# Altium PCB Pleiades_Frouf.PcbDoc (part 9 of 12)
Units mil, origin at the board's own origin, x right, y up, seen from the top; angles counter-clockwise.
Board outline 12244.09 x 4515.28 mil, 12 copper layers (TOP, GND1, IN1, GND2, POW1, GND3, POW2, GND4, GND5, IN2, GND6, BOT), stack 63.546 mil thick; 1442 components, 702 nets, 4419 pads, 1756 vias.
Unrouted connection lines stored in the file: 1088.
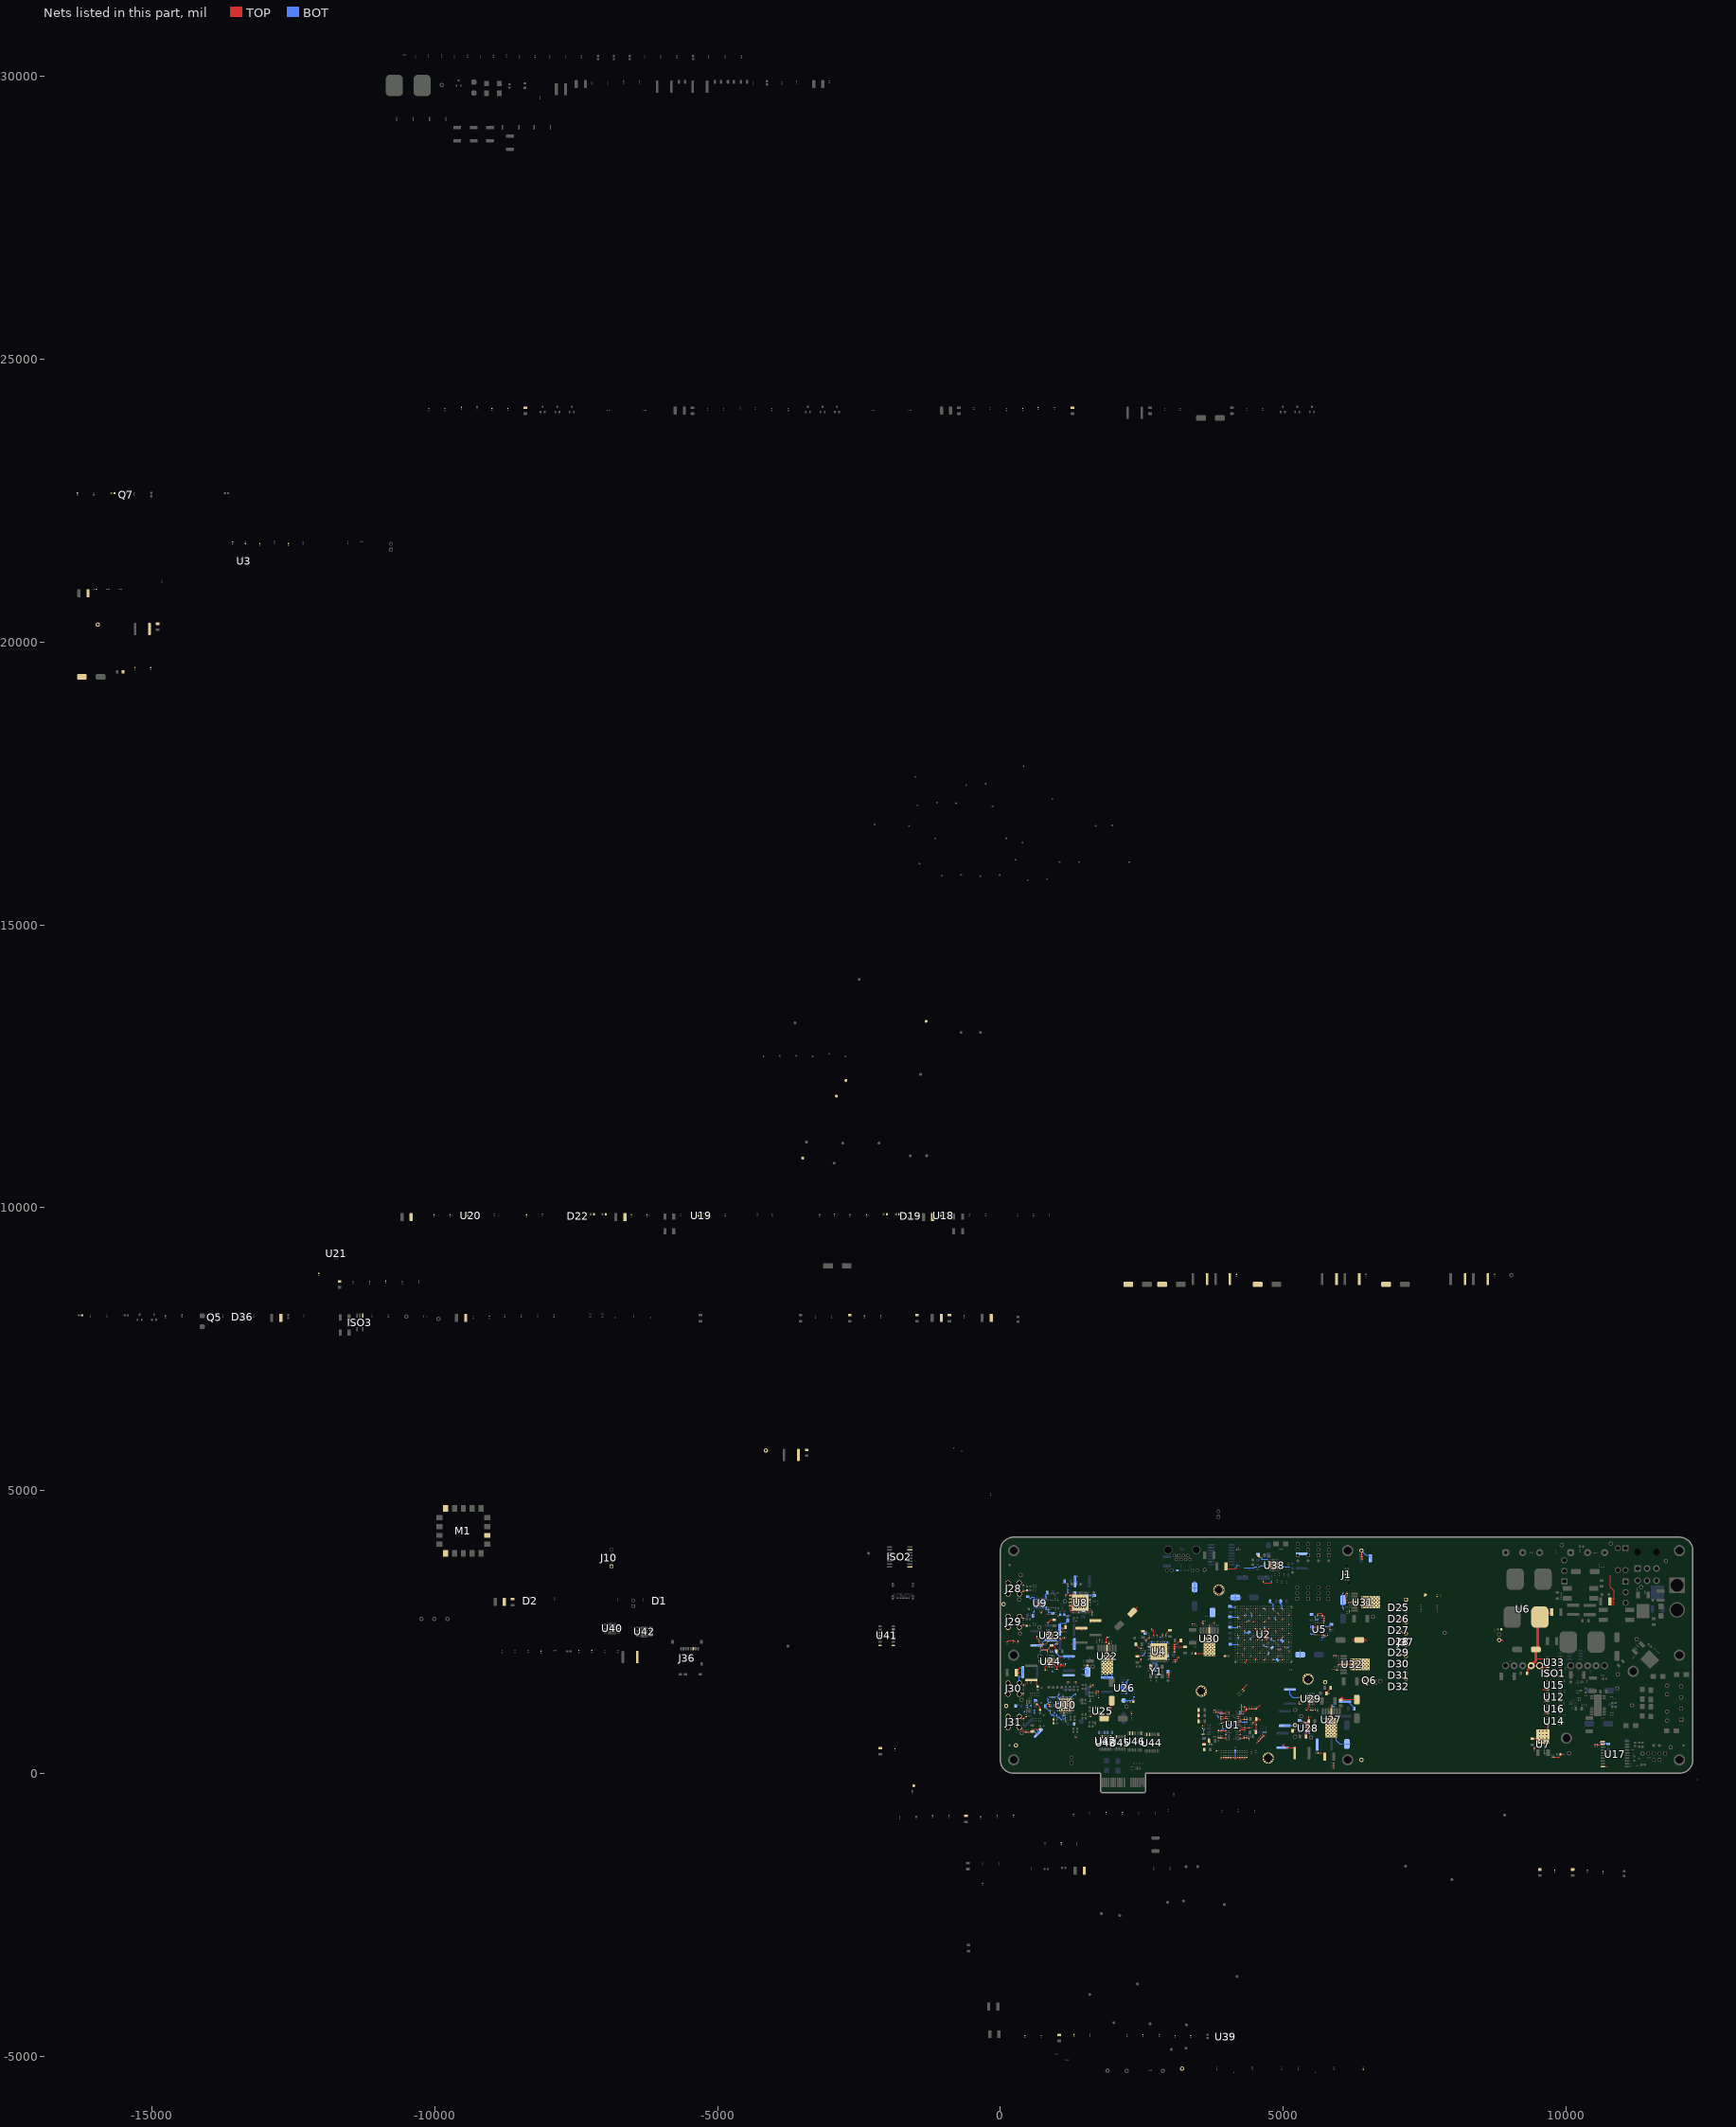
[diagram p19: the nets of this part, all layers, seen from the top]

## Via types
v1: diameter 12/18/18/18/18/18/18/18/18/18/18/12 (per signal layer), hole 6, TOP to BOT, 1113 vias
v2: diameter 20, hole 10, TOP to BOT, 363 vias
v3: diameter 19.68, hole 7.87, TOP to BOT, 110 vias
v4: diameter 25, hole 12, TOP to BOT, 67 vias
v5: diameter 40, hole 20, TOP to BOT, 48 vias
v6: diameter 22, hole 12, TOP to BOT, 27 vias
v7: diameter 12, hole 6, TOP to BOT, 19 vias
v8: diameter 19.68, hole 11.81, TOP to BOT, 9 vias

## Nets (pads, with @x,y where several pads share a name; then routed paths per layer and width w, separated by ;. In a path a pad name is that pad's centre, name@x,y a point inside that pad or via, vN(x,y) a via of type N, cw(c..) or ccw(c..) an arc to the next point about the centre after c; other vN are vias at no path point) (continued)
GND: C1.2 C2.2 C3.2 C4.2 C5.2 C6.2 C7.2 C8.2 C9.2 C10.2 C11.2 C12.2 C13.2 C14.2 C15.2 C16.2 C17.2 C18.2 C19.2 C20.2 C21.2 C22.2 C23.2 C24.2 C25.2 C26.2 C27.2 C28.2 C29.2 C30.2 C31.2 C32.2 C33.2 C34.2 C35.2 C36.2 C37.2 C38.2 C39.2 C40.2 C41.2 C42.2 C43.2 C44.2 C45.2 C46.2 C47.2 C48.2 C49.2 C50.2 C51.2 C52.2 C53.2 C54.2 C55.2 C56.2 C57.2 C58.2 C59.2 C60.2 C61.2 C62.2 C63.2 C64.2 C65.2 C66.2 C67.2 C68.2 C69.2 C70.2 C71.2 C72.2 C73.2 C74.2 C75.2 C76.2 C77.2 C78.2 C79.2 C80.2 C81.2 C82.2 C83.2 C84.2 C85.2 C86.2 C88.2 C91.2 C92.2 C94.2 C95.2 C96.2 C97.2 C98.2 C99.1 C100.2 C101.2 C102.2 C103.2 C104.2 C105.2 C106.2 C107.2 C108.2 C109.2 C110.2 C111.2 C112.2 C113.2 C114.2 C115.2 C116.2 C117.2 C118.2 C119.2 C120.2 C121.2 C122.2 C123.2 C124.2 C125.2 C126.2 C127.2 C128.2 C129.2 C130.2 C131.2 C132.1 C134.2 C135.2 C136.2 C138.2 C139.2 C140.2 C141.2 C142.2 C143.2 C144.2 C145.2 C146.2 C148.2 C149.2 C153.2 C154.2 C155.2 C156.2 C157.2 C158.2 C159.2 C160.2 C161.2 C162.2 C163.2 C164.2 C165.2 C166.2 C167.2 C168.2 C169.2 C170.2 C171.2 C172.2 C173.2 C174.2 C175.2 C176.2 C177.2 C178.2 C179.2 C180.2 C181.2 C182.2 C183.2 C184.2 C185.2 C186.2 C187.2 C188.2 C189.2 C190.2 C191.2 C192.2 C193.2 C194.2 C195.2 C196.2 C197.2 C198.2 C199.2 C200.2 C201.2 C202.2 C203.2 C204.2 C205.2 C206.2 C207.2 C208.2 C209.2 C210.2 C211.2 C212.2 C213.2 C214.2 C215.2 C216.2 C217.2 C218.2 C219.2 C220.2 C228.1 C231.2 C232.2 C233.2 C234.2 C235.2 C236.2 C237.2 C240.2 C243.2 C244.2 C245.2 C246.2 C247.2 C248.2 C249.2 C250.2 C251.2 C252.2 C253.2 C254.2 C255.2 C256.2 C259.2 C260.2 C261.2 C262.2 C263.2 C264.2 C265.2 C266.2 C267.2 C268.2 C269.2 C270.2 C271.2 C272.2 C273.2 C274.2 C275.2 C276.2 C277.2 C278.2 C279.2 C280.2 C281.2 C282.2 C283.2 C284.2 C285.2 C286.2 C287.2 C288.2 C289.2 C290.2 C291.2 C292.2 C293.2 C296.2 C297.2 C298.2 C299.2 C300.2 C301.2 C302.2 C303.2 C304.2 C305.2 C306.2 C307.2 C308.2 C309.2 C310.2 C311.2 C312.2 C313.2 C314.2 C315.2 C316.2 C317.2 C318.2 C319.2 C320.2 C321.2 C322.2 C323.2 C324.2 C325.2 C326.2 C327.2 C328.2 C329.2 C330.2 C331.2 C332.2 C333.2 C334.2 C335.2 C336.2 C337.2 C338.2 C339.2 C340.2 C341.2 C366.2 C367.2 C368.2 C369.2 C370.2 C371.2 C372.2 C373.2 C374.2 C375.2 C376.2 C377.2 C378.2 C379.2 C380.2 C381.2 C382.2 C383.2 C384.2 C385.2 C386.2 C387.2 C388.2 C389.2 C390.2 C391.2 C392.2 C393.2 C394.2 C395.2 C396.2 C397.2 C398.2 C399.2 C400.2 C401.2 C402.2 C403.2 C404.2 C405.2 C406.2 C407.2 C408.2 C409.2 C411.2 C412.2 C413.2 C414.2 C415.2 C416.2 C417.2 C418.2 C419.2 C421.2 C422.2 C423.2 C424.2 C425.2 C426.2 C427.2 C428.2 C429.2 C430.2 C431.2 C432.2 C433.2 C434.2 C435.2 C436.2 C437.2 C438.2 C439.2 C440.2 C441.2 C442.2 C443.2 C444.2 C445.2 C446.2 C447.2 C448.2 C449.2 C450.2 C451.2 C452.2 C453.2 C454.2 C455.2 C456.2 C457.2 C458.2 C459.2 C460.2 C462.2 C463.2 C464.2 C465.2 C466.2 C467.2 C468.2 C469.2 C470.2 C471.2 C472.2 C474.2 C475.2 C476.2 C480.2 C488.2 C489.2 C490.2 C491.2 C492.2 C496.2 C497.2 C498.2 C501.2 C502.2 C503.2 C504.2 C505.2 C506.2 C509.2 C510.2 C511.2 C512.2 C513.2 C514.2 C515.2 C516.2 C517.2 C518.2 C519.2 C520.2 C521.2 C522.2 C523.2 C524.2 C525.2 C526.2 C527.2 C528.2 C529.2 C530.2 C531.2 C532.2 C533.2 C534.2 C535.2 C536.2 C537.2 C542.2 C543.2 C544.2 C547.2 C548.2 C565.2 C566.2 C567.2 C568.2 C569.2 C570.2 C571.2 C577.2 C578.2 C579.2 C580.2 C588.2 C589.2 C590.2 C591.2 C592.2 C593.2 C594.2 C599.2 C600.2 C601.2 C602.2 D1.1 D2.1 D5.2 D6.2 D7.2 D8.2 D9.2 D19.1 D20.2 D21.2 D22.1 D23.2 D24.2 D25.1 D26.1 D27.1 D28.1 D29.1 D30.1 D31.1 D32.1 D36.1 D41.2 D46.2 D47.2 D48.2 D49.2 D51.2 HEAT1.1 HEAT1.2 HEAT2.1 HEAT2.2 ISO1.3 ISO2.9 ISO2.15 ISO3.3 J1.3 J10.1 J28.2 J28.3 J28.4 J28.5 J29.2 J29.3 J29.4 J29.5 J30.2 J30.3 J30.4 J30.5 J31.2 J31.3 J31.4 J31.5 J36.6 J37.1 J37.5 J37.7 J37.9 J37.11 J37.15 M1.1 M1.7 M1.14 Q5.2 Q6.2 Q7.2 R1.2 R2.2 R3.2 R4.2 R5.2 R6.2 R7.2 R8.2 R9.2 R10.2 R11.2 R12.2 R13.1 R14.2 R33.2 R51.2 R52.2 R53.1 R57.2 R58.2 R61.2 R66.2 R71.1 R72.2 R74.1 R75.2 R76.2 R77.2 R78.2 R91.2 R92.2 R97.1 R98.2 R106.1 R107.2 R115.2 R116.2 R117.2 R122.2 R123.2 R124.2 R125.2 R126.2 R142.2 R173.2 R179.2 R190.2 R191.2 R192.2 R193.2 R194.2 R195.2 R196.2 R197.2 R198.2 R199.2 R200.2 R201.2 R202.2 R203.2 R204.2 R205.2 R206.2 R207.2 R208.2 R209.2 R210.2 R213.2 R214.2 R217.2 R218.2 R224.2 R225.2 R226.2 R228.2 R230.2 R231.2 R232.2 R233.2 R234.2 R235.2 R236.2 R237.2 R238.2 R255.2 R256.2 R257.2 r258.2 R259.2 R260.2 R261.2 R262.2 R263.2 R286.2 R304.2 R306.2 R311.2 R312.2 R316.2 R317.2 R325.1 R326.2 R330.1 R331.2 R337.1 R341.2 TP1.1 TP2.1 TP3.1 TP35.1 TP46.1 TP61.1 TP69.1 TP101.1 TP103.1 TP105.1 TP110.1 TP112.1 TP118.1 TP126.1 TP141.1 TP145.1 TP174.1 U1.A9 U1.B1 U1.B3 U1.B9 U1.D1 U1.D8 U1.E1 U1.E2 U1.E8 U1.F9 U1.G1 U1.G8 U1.G9 U1.J2 U1.J8 U1.M1 U1.M9 U1.P1 U1.P9 U1.T1 U1.T9 U2.A1 U2.A26 U2.AB2 U2.AB12 U2.AB16 U2.AB20 U2.AB25 U2.AC8 U2.AE6 U2.AE10 U2.AE14 U2.AE18 U2.AE22 U2.AF1 U2.AF26 U2.B5 U2.B9 U2.B13 U2.B17 U2.B21 U2.D4 U2.E7 U2.E11 U2.E15 U2.E22 U2.F2 U2.F19 U2.F25 U2.H4 U2.H11 U2.H23 U2.J8 U2.J19 U2.K2 U2.K16 U2.K25 U2.L11 U2.L13 U2.L15 U2.M5 U2.M12 U2.M14 U2.M16 U2.M22 U2.N11 U2.N13 U2.N15 U2.P2 U2.P12 U2.P14 U2.P16 U2.P19 U2.P25 U2.R8 U2.R11 U2.R13 U2.R15 U2.T5 U2.T12 U2.T14 U2.T16 U2.T21 U2.U11 U2.V2 U2.V25 U2.W15 U2.W20 U2.Y4 U2.Y7 U2.Y11 U2.Y23 U3.2 U4.36 U4.PAD U5.A1 U5.A2 U5.B6 U5.F1 U5.F5 U5.F6 U5.H1 U6.4 U6.5 U7.3 U8.17 U8.18 U8.21 U8.24 U8.27 U8.28 U8.31 U8.32 U8.39 U8.49 U8.59 U8.PAD U9.PAD U10.5 U10.41 U10.44 U10.PAD U12.4 U14.4 U15.4 U16.4 U17.1 U17.2 U17.10 U18.2 U19.2 U20.2 U21.3 U22.4 U22.8 U23.7 U23.E1 U24.7 U24.E1 U25.1 U26.2 U26.4 U26.5 U26.6 U26.7 U26.8 U26.9 U26.10 U26.11 U26.12 U26.17 U26.18 U26.19 U26.21 U27.4 U27.8 U28.4 U28.8 U28.11 U29.7 U29.E1 U30.4 U30.8 U31.4 U31.8 U32.4 U32.8 U33.2 U33.8 U38.1 U38.33 U38.34 U38.35 U38.36 U38.37 U38.38 U38.39 U38.40 U38.41 U38.42 U39.2 U40.11 U41.3 U41.6 U41.9 U41.10 U41.19 U41.20 U41.30 U41.35 U42.11 U42.12 U42.13 U43.9 U43.15 U44.11 U44.17 U44.19 U45.9 U45.15 U46.11 U46.17 U46.19 U47.1 U47.5 U47.7 U47.10 Y1.3 | length 49092.4
  TOP w6: R1.2@122.22,2324.68 143.94,2346.4 R3.2@229.67,2346.4 231.29,2346.4 242.49,2335.19 R2.2@316.22,2335.19 ; J31.5@336.22,1005.51 375.95,965.79 D9.2@409.43,965.79 414.3,970.66 426.97,970.66 R124.2@458.81,1002.5 ; J30.4@336.22,1396.06 348.57,1408.42 404.28,1408.42 R117.2@409.43,1413.56 ; J29.4@336.22,2577.17 381.56,2622.5 R107.2@402.97,2622.5 450.73,2622.5 465.23,2608 R106.1@467.35,2608 ; J29.5@336.22,2777.17 351.65,2761.74 379.22,2761.74 403.52,2737.44 D7.2@409.43,2737.44 ; J28.4@336.22,3167.72 385.65,3217.15 R98.2@409.43,3217.15 427.14,3234.87 R97.1@472.01,3234.87 ; v1(347.57,1715) 346.42,1716.15 308.43,1716.15 284.22,1740.35 C1.2@284.22,1778.74 ; v1(347.57,1790) 336.31,1778.74 C1.2@284.22,1778.74 ; v1(347.57,1865) 322.34,1839.77 308.43,1839.77 284.22,1815.57 C1.2@284.22,1778.74 ; D8.2@409.43,1563.78 451.12,1563.78 v1(462.02,1574.67) 472.91,1585.57 472.91,1627.92 491.78,1646.8 C394.2@547.95,1646.8 ; v1(542.28,1595.67) 543.43,1596.82 543.43,1609.16 547.95,1613.67 C394.2@547.95,1646.8 ; v1(619.11,1227) 642.56,1227 R116.2@650,1219.56 703,1166.56 R123.2@703,1120.65 ; R209.2@647.85,2419.28 647.85,2385.3 654.54,2378.62 665.7,2378.62 668.36,2381.28 R207.2@687.36,2381.28 687.5,2381.14 687.5,2308.3 699.35,2296.45 v1(729.12,2296.45) 740.98,2296.45 R201.2@760.09,2277.35 711.85,2229.11 711.85,2197.97 723.2,2186.61 840.43,2186.61 ; R115.2@661.5,1531.23 661.5,1533.35 641.2,1553.66 v1(641.2,1570.57) 641.2,1627.92 622.33,1646.8 C394.2@547.95,1646.8 ; C395.2@687.65,1995.02 687.65,1969.71 698.25,1959.11 R210.2@698.25,1957.49 698.25,1930.46 v1(698.5,1930.2) ; C391.2@722.1,2835.44 722.1,2836.3 735.11,2849.31 v1(735.11,2865.52) ; R202.2@795.68,1824.23 795.68,1887.02 v6(848.31,1939.65) U24.E1@862.09,1953.43 ; v1(821.79,2302.68) 822.93,2303.83 822.93,2308.58 843.25,2328.9 U23.7@843.25,2341.69 843.25,2383.03 v6(829.47,2396.81) ; v1(826.8,1225.35) 827.95,1224.2 866.17,1224.2 C303.2@870.81,1219.56 R142.2@870.81,1180.88 ; C409.2@831.63,2160.37 833.19,2161.93 833.19,2179.37 840.43,2186.61 ; R205.2@842.01,2661.76 893.1,2712.85 C397.2@953,2712.85 ; U24.7@862.09,1884.53 U24.E1@862.09,1953.43 ; v6(887.68,1979.02) U24.E1@862.09,1953.43 ; v6(927.05,1939.65) 969.88,1896.82 978.41,1896.82 ; R126.2@942.07,952.01 950.85,960.79 950.85,1024.76 v1(961.76,1035.67) ; R125.2@942.07,883.4 v1(942.1,917.67) R126.2@942.07,952.01 ; v1(985.31,1232.92) 986.93,1232.92 991.73,1237.72 U10.41@1018.35,1237.72 ; v1(987.81,1180.31) 988.63,1179.48 1017.52,1179.48 U10.44@1018.35,1178.66 ; C401.2@992.48,2155.9 975.02,2173.35 975.02,2194.86 970.61,2199.27 v1(970.61,2200.9) v1(970.61,2253.26) ; R198.2@1004.43,1835 1004.43,1870.8 978.41,1896.82 ; v1(1008.31,2324.26) 1008.31,2289.68 R197.2@1005.24,2286.61 1004.6,2286.61 971.25,2253.26 v1(970.61,2253.26) ; C402.2@1035.4,2054.11 1067.46,2054.11 v1(1079.99,2066.65) ; R192.2@1055.13,2385.3 1083.17,2357.26 v1(1099.24,2357.26) R190.2@1137.56,2395.59 ; C399.2@1065.9,2503.1 v1(1096.26,2503.1) 1116.3,2523.14 v1@1116.3,2563.4 ; v1(1109.94,2569.76) v1@1116.3,2563.4 ; v3(1111.85,1121.57) U10.PAD@1125.63,1107.8 ; 1117.6,2562.11 v1@1116.3,2563.4 ; v1(1131.27,1043.79) 1131.27,1045.41 1126.59,1050.09 1126.59,1070.42 U10.5@1125.63,1071.38 U10.PAD@1125.63,1107.8 ; R191.2@1152.9,1933.84 1152.9,1909.14 1145.6,1901.84 1103.5,1901.84 1082.65,1922.69 1075.99,1922.69 R193.2@1070.85,1927.84 1070.85,1899.32 1067.33,1895.81 1062.36,1895.81 1061.35,1896.82 978.41,1896.82 ; C240.2@1152.98,3153.65 1188.29,3153.65 v1(1199.1,3164.46) 1217.02,3164.46 1223.24,3158.24 1223.24,3146.13 1224.65,3144.71 U8.18@1235,3144.71 U8.PAD@1283.23,3144.71 ; v1(1154.83,2650.27) 1154.83,2580.89 C398.2@1153.7,2579.76 1143.7,2569.76 1137.34,2563.4 v1@1116.3,2563.4 ; v3(1155.16,1208.19) 1125.63,1178.66 U10.PAD@1125.63,1107.8 ; C306.2@1192.6,1616.07 1193.85,1614.82 v1(1220.73,1614.82) ; v1(1209.61,3022.08) 1213.55,3026.02 1234.42,3026.02 U8.24@1235,3026.6 1401.34,3026.6 v3(1411.18,3016.76) ; U8.32@1235,2869.12 1263.54,2869.12 U8.PAD@1283.23,2888.81 ; U8.31@1235,2888.81 U8.PAD@1283.23,2888.81 ; U8.21@1235,3085.66 1298.98,3085.66 v3(1324.57,3060.07) ; U8.17@1235,3164.4 1263.54,3164.4 U8.PAD@1283.23,3144.71 ; v1(1263.43,870) 1280.53,870 C304.2@1295.52,885 ; v1(1313.55,1614.82) 1337.6,1614.82 C302.2@1338.85,1613.56 ; C300.2@1324.27,640.53 1350.55,640.53 v1(1354.85,644.84) ; v3(1324.57,3103.38) U8.PAD@1283.23,3144.71 ; v3(1367.87,2930.15) 1381.65,2916.37 U8.39@1381.65,2840.58 ; v3(1497.8,3060.07) 1503.7,3065.97 U8.59@1587.36,3065.97 ; D49.2@1540.39,1906.22 v1(1576.84,1906.22) ; v1@1592.65,1310.33 v1(1592.99,1310.68) ; C301.2@1597.3,1002.34 v1(1597.3,1037.82) v1@1597.99,1038.51 ; v1(1622.5,2869.12) U8.49@1587.36,2869.12 1558.82,2869.12 v3(1411.18,3016.76) ; C298.2@1679.43,877.56 v1(1679.43,907.49) ; C396.2@1755,2348.04 1755,2371.57 v1(1758.51,2375.09) ; R196.2@1891.09,2403.11 1875.33,2387.35 R194.2@1875.33,2314.13 1887.83,2301.63 1896.19,2293.28 R195.2@1924.59,2293.28 ; R326.2@2320,1053.34 v1(2320,1089.4) ; D47.2@2352.44,1264.4 2361.41,1273.37 2361.41,1293.67 2367.53,1299.79 v1(2367.53,1320.68) ; v1(2422.09,2932.09) v1@2422.09,2933.36 ; R325.1@3394.3,2642.1 3446.29,2642.1 3448.37,2640.02 v1(3450,2640.02) ; D48.2@3451.39,2116.32 3592.68,2116.32 3695,2218.64 v2(3695,2236.93) ; C32.2@3508.55,1020.56 C32.2@3508.68,1020.43 ; C25.2@3508.55,1119.27 C25.2@3508.68,1119.14 ; v1(3548.45,915.34) 3512.48,915.34 C60.2@3508.8,919.01 3508.68,919.13 C32.2@3508.68,1020.43 ; v1(3548.45,1019.52) 3509.6,1019.52 C32.2@3508.68,1020.43 ; v1(3548.45,1119.13) C25.2@3508.69,1119.13 ; v1(3555,687.55) 3555.5,687.05 3577,687.05 C74.2@3577.5,686.55 ; v1(3577.5,547.12) 3577.96,546.66 3577.96,529.08 3596.77,510.27 C46.2@3601.93,510.27 3607.63,510.27 3626.44,529.08 3626.44,546.11 v1(3627.45,547.12) ; C69.2@3577.5,795.26 v1(3577.5,817.83) C72.2@3577.5,840.4 ; R255.2@3587.5,2690.31 3586.44,2690.31 3566.06,2669.93 v1(3565,2669.93) 3565,2669.33 3584.59,2649.75 C457.2@3595,2649.75 ; C11.2@3690.47,573.27 3690.47,561.91 3709.95,542.44 v1(3709.95,526.92) ; U30.4@3695,2524.53 3695,2608.68 r258.2@3701.69,2615.37 ; v1@3711.05,528.02 C52.2@3734.08,505 ; C31.2@3778.97,1119.27 3804.33,1093.9 3804.33,1083.96 3810.59,1077.71 3852.01,1077.71 C40.2@3852.6,1078.29 3852.87,1078.03 3902.36,1078.03 C8.2@3902.62,1077.76 3929.84,1077.76 v1(3950.24,1057.36) 3951.86,1057.36 3957.49,1062.99 U1.B1@3984.25,1062.99 ; R259.2@3785,2649.43 v1(3785,2676.93) ; v1(3793.7,397.75) R33.2@3824.81,397.75 ; C41.2@3855.24,626.85 C29.2@3899.6,626.85 3931.36,626.85 3936.33,631.82 v1(3937.95,631.82) 3939.57,631.82 3947.77,623.62 3962.58,623.62 3964.15,622.05 U1.T1@3984.25,622.05 ; C55.2@3857.31,753.8 C54.2@3902.42,753.8 3951.88,753.8 v1(3963.03,764.95) 3964.17,763.8 3968.48,763.8 U1.M1@3984.25,748.03 ; C9.2@3898.8,960.46 C9.2@3898.8,960.46 ; v1(3902.36,255.79) 3902.36,257.41 3904.72,259.77 C84.2@3904.72,278.84 C83.2@3947.74,278.84 C94.2@3990.67,278.84 ; C27.2@3906.24,884.99 3923.97,884.99 3944.49,905.51 U1.G1@3984.25,905.51 3985.17,905.51 v1(4000.12,920.46) ; v1(3929.43,2073.37) R66.2@3974.06,2073.37 ; v1(3959.47,685.5) 3959.7,685.27 3984.02,685.27 U1.P1@3984.25,685.04 ; U1.E1@3984.25,968.5 3962.43,968.5 3961.75,969.18 3960.13,969.18 3951.46,960.52 C9.2@3898.8,960.46 ; U1.D1@3984.25,1000 3961.75,1000 v1(3960,1001.75) 3959.68,1002.07 3899.12,1002.07 C14.2@3898.8,1002.38 C9.2@3898.8,960.46 ; C512.2@3986.31,3616.97 4151.02,3616.97 v1(4175,3640.95) ; v1(3990.67,255.79) C94.2@3990.67,278.84 ; v1(4000,952.45) 4015.75,968.2 U1.E2@4015.75,968.5 ; U1.J2@4015.75,842.52 4015.75,843.66 4029.42,857.33 v1(4029.42,858.47) ; v1(4034.83,1078.74) 4034.83,1077.12 4047.24,1064.71 U1.B3@4047.24,1062.99 ; v1(4076.29,255.79) 4075.41,256.67 4075.41,277.96 C95.2@4074.54,278.84 ; v1(4155.79,255.79) 4155.79,277.59 4157.05,278.84 ; U2.A1@4157.48,1964.57 4157.48,1965.65 4175.08,1983.25 v1(4175.08,1984.33) ; U2.A26@4157.48,2948.82 4176.3,2930 v1(4180,2930) ; v1(4178.7,2137.7) 4179.95,2137.7 4195.6,2122.05 U2.B5@4196.85,2122.05 ; v1(4191.71,920.67) 4191.71,919.59 4204.72,906.58 U1.G8@4204.72,905.51 ; v1(4196.37,981.64) 4197.52,980.5 4197.52,978.35 4204.72,971.14 U1.E8@4204.72,968.5 ; v1(4196.37,1014.57) 4197.52,1013.42 4197.52,1009.84 4204.72,1002.64 U1.D8@4204.72,1000 ; U2.B9@4196.85,2279.53 4214.8,2261.57 v1(4215,2261.57) v1@4215.2,2261.57 ; U2.B13@4196.85,2437.01 4215.2,2418.66 v1(4215.2,2418.27) ; U2.B17@4196.85,2594.49 4215.2,2576.14 v1(4215.2,2575) ; U2.B21@4196.85,2751.97 4218.82,2730 v1(4220.9,2730) ; U1.J8@4204.72,842.52 4204.72,843.05 4220.59,858.92 v1(4220.59,859.45) ; v1(4234.17,255.79) 4233.8,256.16 4233.8,278.47 C70.2@4233.42,278.84 ; U1.T9@4236.22,622.05 4257.12,601.15 4261.64,601.15 v1(4262.79,600) 4289.64,626.85 C64.2@4315.35,626.85 C21.2@4356.03,626.85 4382.44,626.85 C80.2@4398.14,611.16 ; U1.P9@4236.22,685.04 4254.27,685.04 4261.05,691.82 4261.05,701.42 v1(4262.2,702.57) ; U1.M9@4236.22,748.03 4236.22,750.67 4240.63,755.08 4240.63,755.49 v1@4259.65,774.51 ; U1.G9@4236.22,905.51 4237.61,905.51 4248.85,916.75 v1(4255,916.75) ; U1.F9@4236.22,937.01 4249.12,949.9 4251.07,949.9 4253.62,952.45 v1(4255.24,952.45) 4255.84,953.05 4315.7,953.05 C16.2@4316.29,953.64 C15.2@4360.3,953.64 ; U1.B9@4236.22,1062.99 v1(4279.31,1062.99) ; U1.A9@4236.22,1094.49 4248.19,1106.45 4259.33,1106.45 4269.77,1096.01 v1(4270.09,1096.01) 4343.5,1096.01 4351.16,1103.67 4351.16,1129.51 C56.2@4352.12,1130.47 ; v1(4260.68,775.4) v1@4260.54,775.4 ; U2.D4@4275.59,2082.68 4290.24,2097.32 v1(4290.24,2100.63) ; C82.2@4307.74,1456.1 4293.62,1470.21 4293.62,1472.64 C71.2@4280.79,1485.47 4352.66,1557.34 v1(4358.19,1557.34) ; C42.2@4311.83,1173.25 4339.8,1173.25 4352.12,1160.93 C56.2@4352.12,1130.47 ; U2.E7@4314.96,2200.79 4335.8,2221.63 v1(4336.29,2221.63) ; U2.E11@4314.96,2358.27 4314.96,2357.8 v1(4332.91,2339.84) ; U2.E15@4314.96,2515.75 4329.21,2530 v1(4332.91,2530) ; U2.E22@4314.96,2791.34 v1(4336.3,2770) v1@4336.77,2770 ; v1(4316.11,255.79) 4316.96,256.65 4316.96,277.98 C92.2@4317.82,278.84 ; C36.2@4319.93,766.99 4294.39,766.99 4286.88,774.51 v1@4259.65,774.51 ; v1(4329.87,1925.2) 4330.86,1926.18 4330.86,1962.1 4352.4,1983.65 4352.4,2002.01 U2.F2@4354.33,2003.94 ; U2.F19@4354.33,2673.23 v1(4374.44,2693.33) v1@4374.44,2693.94 ; U2.F25@4354.33,2909.45 4373.78,2890 v1(4374.1,2890) ; C81.2@4357.77,278.84 C92.2@4317.82,278.84 ; C67.2@4406.44,808.19 C7.2@4319.89,808.19 4293.33,808.19 v1@4260.54,775.4 ; v1(4412.92,2067.5) 4414.07,2068.65 4418.99,2068.65 4433.02,2082.68 U2.H4@4433.07,2082.68 ; U2.H11@4433.07,2358.27 4433.07,2360.08 v1(4450,2377.01) ; U2.H23@4433.07,2830.71 4433.07,2829.62 v1(4452.69,2810) ; v1(4452.69,2220.49) U2.J8@4472.44,2240.16 ; R14.2@4469.5,894.34 4507.21,932.05 4509.27,932.05 C59.2@4526.25,949.04 ; U2.J19@4472.44,2673.23 4472.44,2676.38 4490,2693.94 ; v1(4486.86,760.38) 4488.01,759.23 4493.4,759.23 4520.32,732.32 C18.2@4520.32,723.68 4526.25,729.61 C68.2@4526.25,860.55 C59.2@4526.25,949.04 ; U2.K2@4511.81,2003.94 4514.05,2006.18 4514.05,2013.6 v1(4530.59,2030.14) ; U2.K16@4511.81,2555.12 4535.08,2531.85 v1(4535.08,2530) ; U2.K25@4511.81,2909.45 4511.81,2909.26 v1(4531.07,2890) ; v1(4535.96,539.95) 4536.4,539.95 C33.2@4657.59,661.13 4665.43,661.13 v1(4686.1,681.8) ; U2.L11@4551.18,2358.27 4569.92,2377.01 v1(4569.92,2380) ; U2.L13@4551.18,2437.01 4569.92,2418.27 v1(4569.92,2415) ; C509.2@4565.62,3852.08 4565.62,3847.38 4584.43,3828.58 4609.46,3828.58 v1(4624.33,3813.7) ; v1(4589.66,1199.8) 4588.33,1199.8 C19.2@4528.08,1139.55 4526.54,1141.08 4407.98,1141.08 C58.2@4406.44,1142.62 4382.47,1142.62 4371.12,1131.27 4352.91,1131.27 C56.2@4352.12,1130.47 ; U2.M5@4590.55,2122.05 4610.11,2141.61 4614.33,2141.61 v1(4615.48,2142.76) ; U2.M12@4590.55,2397.64 4607.91,2415 v1@4610.17,2415 ; U2.M14@4590.55,2476.38 4610.23,2456.7 v1(4613.62,2456.7) ; U2.M16@4590.55,2555.12 4590.55,2554.69 4610.54,2534.69 v1(4610.54,2534.26) 4610.98,2534.26 4629.49,2515.75 U2.N15@4629.92,2515.75 ; U2.M22@4590.55,2791.34 4591.57,2791.34 v1(4610.23,2810) ; v1(4594.68,941) 4576.17,959.51 C59.2@4528.08,959.51 ; U2.N11@4629.92,2358.27 4632.17,2358.27 v1(4650.6,2339.84) ; U2.N13@4629.92,2437.01 4629.92,2435.68 v1(4650.6,2415) ; C511.2@4647.17,3391.36 4672.05,3366.48 v1(4795.66,3366.48) ; U2.P2@4669.29,2003.94 4685,2019.65 4685,2021.93 4687.87,2024.8 v1(4687.87,2026.42) ; U2.P12@4669.29,2397.64 4672.36,2397.64 v1(4690,2380) ; U2.P14@4669.29,2476.38 v1(4688.97,2456.7) v1@4690,2456.7 ; U2.P16@4669.29,2555.12 4687.24,2537.17 v1(4690,2537.17) ; U2.P19@4669.29,2673.23 4690,2693.94 v1(4690,2695) ; U2.P25@4669.29,2909.45 4688.74,2890 v1(4688.97,2890) ; U2.R8@4708.66,2240.16 4723.82,2225 v1(4725,2225) ; U2.R11@4708.66,2358.27 4708.82,2358.27 4727.56,2377.01 v1(4727.72,2377.01) ; U2.R13@4708.66,2437.01 4708.66,2436.34 v1(4730,2415) ; U2.R15@4708.66,2515.75 4709.25,2515.75 v1(4730,2495) ; v1@4734.81,3768.95 4734.81,3749.19 4736.73,3747.27 U38.1@4747.56,3747.27 4775.12,3747.27 U38.34@4801.89,3720.5 ; U2.T5@4748.03,2122.05 4749.51,2122.05 v1(4765,2106.55) ; U2.T12@4748.03,2397.64 4748.03,2396.97 v1(4765,2380) ; U2.T14@4748.03,2476.38 4748.03,2473.66 v1(4765,2456.69) ; U2.T16@4748.03,2555.12 4748.03,2554.13 v1(4765,2537.17) ; U2.T21@4748.03,2751.97 4748.03,2749.49 v1(4765,2732.52) ; U2.U11@4787.4,2358.27 4805,2340.67 v1(4805,2340) ; v1(4821.88,2024.06) 4821.88,2022.44 4824.53,2019.79 4824.53,2006.18 U2.V2@4826.77,2003.94 ; U2.V25@4826.77,2909.45 4846.22,2890 v1(4850,2890) ; U2.W15@4866.14,2515.75 4866.14,2515.07 v1(4883.82,2497.4) ; U2.W20@4866.14,2712.6 4867.4,2712.6 v1(4885,2695) ; U2.Y4@4905.51,2082.68 4920.83,2067.36 v1(4922.48,2067.36) ; U2.Y7@4905.51,2200.79 4922.48,2183.82 v1(4930,2183.82) ; U2.Y11@4905.51,2358.27 4924.25,2377.01 v1(4930,2377.01) ; U2.Y23@4905.51,2830.71 4922.48,2813.74 v1(4922.48,2810) ; U2.AB2@4984.25,2003.94 5001.22,2020.91 v1(5005,2020.91) ; U2.AB12@4984.25,2397.64 5001.61,2415 v1(5003.31,2415) v1@5005,2415 ; U2.AB16@4984.25,2555.12 5002.2,2537.17 v1(5005,2537.17) ; U2.AB20@4984.25,2712.6 5001.65,2730 v1(5005,2730) ; U2.AB25@4984.25,2909.45 4985.55,2909.45 v1(5005,2890) ; v1(5005,504.09) 5060.34,448.75 5186.38,448.75 5205.25,429.88 C451.2@5205.25,355.5 ; U2.AC8@5023.62,2240.16 v1@5045,2218.78 ; U2.AE6@5102.36,2161.42 5103.58,2161.42 v1(5120,2145) ; U2.AE10@5102.36,2318.9 5120,2336.54 v1(5120,2340.28) ; U2.AE14@5102.36,2476.38 5120,2458.74 v1(5120,2454.45) ; U2.AE18@5102.36,2633.86 5120,2651.5 v1(5120,2655) ; U2.AE22@5102.36,2791.34 5120,2808.98 v1(5120,2813.74) ; U2.AF1@5141.73,1964.57 5159.34,1982.17 v1(5160,1982.17) ; U2.AF26@5141.73,2948.82 5141.73,2948.27 v1(5160,2930) ; C446.2@5167.51,750.12 5167.51,755.09 5186.32,773.9 5212.11,773.9 v1(5212.39,774.18) ; v1(5264.3,1341.68) R236.2@5291.8,1341.68 ; R237.2@5291.39,1213.24 5291.39,1221.6 R237.2@5291.53,1221.73 ; R237.2@5291.8,1221.6 5277.3,1236.1 v1(5277.3,1241.32) 5277.3,1246.55 R238.2@5291.8,1261.05 ; R228.2@5325.59,923.88 5324.61,923.88 R228.2@5324.99,923.51 5355.33,923.51 v1(5361.23,917.61) 5362.38,916.46 5369.37,916.46 C432.2@5397.38,888.46 ; v1(5370.06,651.92) C445.2@5405.38,651.92 5418.88,665.42 5418.88,701.78 v1(5434.01,716.92) ; R235.2@5407.26,1118.08 v1(5450.27,1118.08) ; 5424.41,742.15 5424.41,728.14 5434.01,718.54 v1(5434.01,716.92) ; U28.11@5435,797.55 5444.84,807.39 5444.84,864.48 5454.64,874.27 C442.2@5454.64,912.36 ; v3(5435,834.95) 5435,850.84 C432.2@5397.38,888.46 ; 5446.68,743.2 5446.68,729.59 v1(5434.01,716.92) ; v6(5450.27,1355.46) v6(5489.64,1316.09) 5464.05,1290.5 U29.7@5464.05,1221.6 v1(5464.05,1181.35) 5450.27,1167.58 v1(5450.27,1118.08) ; C439.2@5453.14,993.18 5453.14,922.5 C442.2@5454.64,921.01 C442.2@5454.64,912.36 ; v3(5457.63,797.55) U28.8@5490.11,797.55 5523.25,797.55 v1(5523.71,798.01) ; v1@5507.6,2592.95 v1(5508.81,2594.16) U5.F6@5561.52,2594.16 5561.52,2594.05 v1@5577.93,2577.63 ; R233.2@5529.01,1118.08 R233.2@5534.22,1112.87 ; v1(5541.68,2477.23) 5542.83,2476.08 5551.45,2476.08 5559.35,2468.18 U5.B6@5561.52,2468.18 ; R232.2@5569.14,1118.08 5554.64,1103.58 v1(5549.07,1103.58) 5543.51,1103.58 R233.2@5534.22,1112.87 ; v1(5577.93,2577.52) v1@5577.93,2577.63 ; U5.F5@5593.01,2594.16 5577.93,2579.09 v1@5577.93,2577.63 ; v1(5608.69,1095.54) R231.2@5608.69,1116.65 ; R78.2@5613.01,2786.83 v1(5613.01,2814.42) 5613.01,2825.61 5616.52,2829.12 5685.99,2829.12 5689.5,2825.61 v1(5689.5,2808.42) R77.2@5689.5,2787.5 5715.85,2787.5 5728.98,2774.37 5728.98,2721.84 5705.5,2698.36 v1(5705.5,2674.98) 5706.65,2673.83 5706.65,2669.5 U5.H1@5719,2657.15 ; C220.2@5615.64,360.04 v1(5644.7,360.04) v1(5675.06,360.04) v1(5699.43,360.04) 5709.79,360.04 5734.42,335.41 C3.2@5734.42,295 ; v1(5706.65,2414.61) 5706.65,2417.53 U5.A2@5687.5,2436.68 U5.A2@5688.5,2436.68 ; U5.F1@5719,2594.16 5739.3,2614.47 5743.85,2614.47 v1(5745,2615.62) ; v1(5739.3,2415) 5739.3,2416.37 U5.A1@5719,2436.68 ; C454.2@5765.96,1400.87 C454.2@5765.96,1410.87 ; v1(5818.46,1413.7) 5816.84,1413.7 5814,1410.87 C454.2@5765.96,1410.87 ; C455.2@5841.46,1510.58 5841.46,1500.58 v1(5812.44,1471.55) 5783.42,1442.53 5783.42,1428.32 C454.2@5765.96,1410.87 ; U27.4@5850.46,1092.08 5861.42,1103.04 5861.42,1154.28 5864.96,1157.81 R224.2@5864.96,1174.49 5862.57,1176.88 5862.57,1206.95 v1(5861.42,1208.1) ; R263.2@5893,2082.42 5894.25,2081.17 5938.02,2081.17 R262.2@5939.28,2079.91 v1(5939.28,2109.47) ; R9.2@5895.2,179.11 5895.31,178.99 v1(5895.31,163.11) v1(5895.31,118.11) 5895.31,89.93 R8.2@5895.43,89.82 ; U27.8@5919.07,804.48 U27.8@5919.07,924.48 ; C459.2@5948.19,1822.19 5948.19,1841.19 5956.67,1849.67 5960.4,1849.67 v1(5961.55,1850.82) ; C434.2@6020.46,1299.55 v1(6020.46,1355.25) 6072.89,1302.82 C435.2@6303.46,1302.82 ; v1(6053.08,3516.22) J1.3@6101.73,3516.22 ; R261.2@6097.35,3062.96 6097.35,3084.3 v1(6128.62,3115.58) 6110.97,3115.58 6107.45,3119.09 6107.45,3169.26 6110.97,3172.77 6127.77,3172.77 R260.2@6132.5,3177.5 6132.5,3201.88 6128.5,3205.89 v1(6128.5,3207.51) ; R256.2@6156.16,3017.67 6178.23,3017.67 6180.45,3019.88 v1(6182.07,3019.88) 6183.22,3021.03 6258.55,3021.03 U31.4@6263.09,3025.58 ; C458.2@6173.26,2867.5 6173.74,2867.02 6173.74,2835.48 v1(6174.22,2835) ; R6.2@6390.98,3868.63 6392.84,3866.78 6392.84,3831.66 R5.2@6394.69,3829.81 6396.21,3828.29 6396.21,3787.84 R4.2@6397.73,3786.32 ; R317.2@6433.8,1641.82 R316.2@6433.8,1601.82 6479.49,1601.82 Q6.2@6479.99,1602.32 6479.99,1626.13 6469.67,1636.45 v1(6469.67,1637.03) ; D46.2@8855.6,2542.83 8857.21,2541.22 v1(8900,2541.22) ; 840.43,2186.61 v1(878.81,2225) 879.96,2226.15 879.96,2240.91 898.77,2259.72 C400.2@905.5,2259.72 962.53,2259.72 968.99,2253.26 v1(970.61,2253.26) ; U8.PAD@1283.23,2888.81 U8.PAD@1342.28,2947.86 ; U8.PAD@1342.28,2947.86 U8.PAD@1361.97,2967.55 ; U8.PAD@1342.28,2947.86 U8.28@1235,2947.86 1222.95,2947.86 1211.44,2959.37 v1(1210.1,2959.37) 1214.29,2963.56 1218.96,2963.56 1222.95,2967.55 U8.27@1235,2967.55 U8.PAD@1361.97,2967.55 ; U8.PAD@1361.97,2967.55 v3(1411.18,3016.76) ; C32.2@3508.68,1020.43 C25.2@3508.68,1119.14 ; C94.2@3990.67,278.84 C97.2@4033.31,278.84 C95.2@4074.54,278.84 ; C95.2@4074.54,278.84 C73.2@4118.91,278.84 4157.05,278.84 ; 4157.05,278.84 C75.2@4195.19,278.84 C70.2@4233.42,278.84 ; C70.2@4233.42,278.84 C86.2@4275.28,278.84 C92.2@4317.82,278.84 ; v1@4259.65,774.51 v1@4260.54,775.4 ; C59.2@4526.25,949.04 4528.08,950.86 C59.2@4528.08,959.51 ; C59.2@4526.25,949.04 4526.25,957.69 C59.2@4528.08,959.51 ; C432.2@5397.38,888.46 5430.73,888.46 C442.2@5454.64,912.36 ; v1(5450.27,1118.08) 5479.99,1118.08 5494.49,1103.58 v1(5509.7,1103.58) 5524.92,1103.58 R233.2@5534.22,1112.87 ; U5.A2@5688.5,2436.68 U5.A1@5719,2436.68 ; U5.A2@5688.5,2436.68 5703.5,2451.68 v1(5704.5,2451.68) 5704.5,2451.43 5719,2436.93 U5.A1@5719,2436.68